# Altium PCB RF-BIG-DB5AT_v1.pcbdoc (part 5 of 7) (continued)
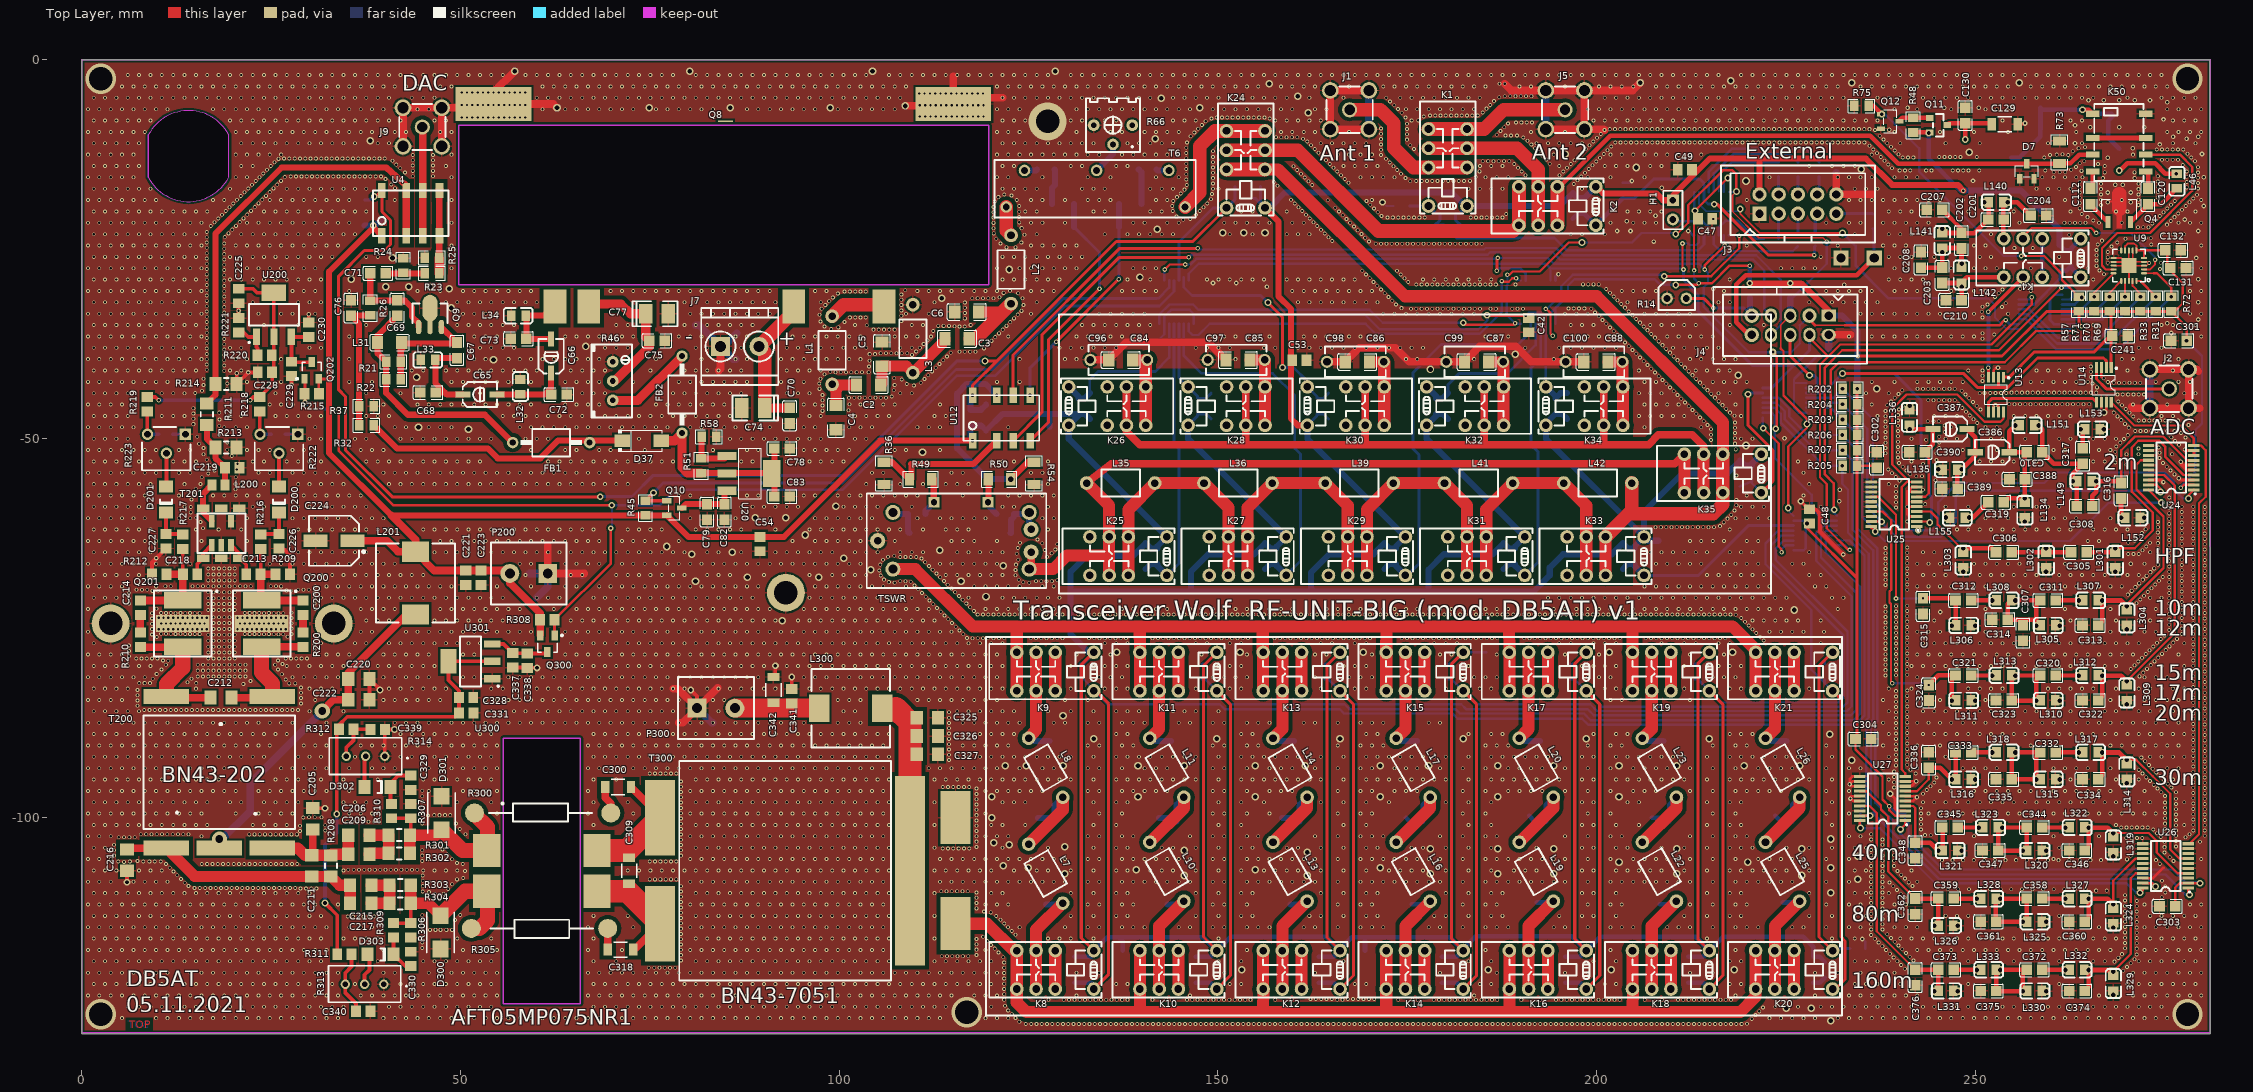
[diagram p0: Top Layer view]
## Nets (pads, with @x,y where several pads share a name; then routed paths per layer and width w, separated by ;. In a path a pad name is that pad's centre, name@x,y a point inside that pad or via, vN(x,y) a via of type N, cw(c..) or ccw(c..) an arc to the next point about the centre after c; other vN are vias at no path point) (continued)
125.318,-24.522 126.818,-24.522 128.318,-24.522 129.818,-24.522 131.318,-24.522 219.818,-24.522 231.818,-24.522 237.818,-24.522 239.318,-24.522 240.818,-24.522 249.818,-24.522 251.318,-24.522 279.818,-24.522 266.142,-24.384 273.228,-24.384 170.837,-24.292 171.537,-24.292 172.237,-24.292 172.937,-24.292 173.637,-24.292 174.337,-24.292 175.037,-24.292 175.737,-24.292 176.437,-24.292 177.137,-24.292 177.837,-24.292 178.537,-24.292 179.237,-24.292 179.937,-24.292 180.637,-24.292 181.337,-24.292 182.037,-24.292 182.737,-24.292 183.437,-24.292 184.137,-24.292 184.837,-24.292 18.818,-24.257 121.285,-24.257 16.488,-24.13 124.046,-24.13 169.926,-24.003 165.082,-23.922 266.726,-23.876 120.722,-23.626 272.441,-23.572 273.141,-23.572 169.431,-23.508 16.488,-23.42 18.868,-23.414 164.587,-23.427 124.46,-23.114 262.382,-23.114 1.568,-23.022 3.068,-23.022 4.568,-23.022 6.068,-23.022 7.568,-23.022 9.068,-23.022 10.568,-23.022 12.068,-23.022 13.568,-23.022 15.068,-23.022 21.068,-23.022 22.568,-23.022 24.068,-23.022 25.568,-23.022 27.068,-23.022 28.568,-23.022 30.068,-23.022 31.568,-23.022 33.068,-23.022 34.568,-23.022 36.068,-23.022 126.068,-23.022 135.068,-23.022 138.068,-23.022 139.568,-23.022 141.068,-23.022 142.568,-23.022 144.068,-23.022 151.568,-23.022 154.568,-23.022 159.068,-23.022 160.568,-23.022 162.068,-23.022 168.936,-23.013 196.568,-23.022 198.068,-23.022 201.068,-23.022 234.068,-23.022 238.568,-23.022 240.068,-23.022 241.568,-23.022 243.068,-23.022 252.068,-23.022 274.568,-23.022 276.068,-23.022 277.568,-23.022 164.092,-22.932 19.363,-22.919 120.396,-22.918 16.51,-22.733 168.441,-22.518 19.858,-22.424 163.597,-22.437 120.38,-22.231 124.079,-22.225 271.461,-22.098 272.161,-22.098 272.848,-22.098 167.946,-22.023 17.018,-21.935 163.102,-21.942 20.353,-21.929 275.287,-21.766 273.343,-21.603 120.38,-21.531 167.451,-21.528 0.818,-21.522 2.318,-21.522 3.818,-21.522 5.318,-21.522 6.818,-21.522 8.318,-21.522 9.818,-21.522 11.318,-21.522 12.818,-21.522 14.318,-21.522 15.818,-21.522 21.818,-21.522 23.318,-21.522 24.818,-21.522 26.318,-21.522 27.818,-21.522 29.318,-21.522 30.818,-21.522 32.318,-21.522 33.818,-21.522 35.318,-21.522 48.818,-21.522 125.318,-21.522 126.818,-21.522 129.818,-21.522 138.818,-21.522 140.318,-21.522 143.318,-21.522 144.818,-21.522 150.818,-21.522 152.318,-21.522 153.818,-21.522 155.318,-21.522 156.818,-21.522 159.818,-21.522 161.318,-21.522 201.818,-21.522 204.818,-21.522 206.318,-21.522 207.818,-21.522 230.318,-21.522 233.318,-21.522 234.818,-21.522 237.818,-21.522 239.318,-21.522 240.818,-21.522 242.318,-21.522 243.818,-21.522 255.818,-21.522 261.744,-21.518 262.444,-21.518 263.144,-21.518 263.844,-21.518 264.544,-21.518 266.318,-21.522 269.318,-21.522 276.818,-21.522 278.318,-21.522 279.818,-21.522 123.774,-21.466 17.513,-21.44 20.848,-21.434 162.607,-21.447 275.782,-21.271 265.557,-21.209 145.415,-21.108 273.838,-21.108 166.956,-21.033 146.337,-21.004 18.008,-20.945 162.112,-20.952 21.343,-20.939 120.38,-20.831 172.392,-20.831 173.092,-20.831 173.792,-20.831 174.492,-20.831 175.192,-20.831 175.892,-20.831 176.592,-20.831 177.292,-20.831 183.379,-20.831 184.079,-20.831 184.779,-20.831 185.479,-20.831 186.179,-20.831 186.879,-20.831 187.579,-20.831 123.774,-20.766 264.795,-20.776 276.277,-20.776 144.533,-20.701 171.577,-20.613 274.333,-20.613 166.461,-20.538 18.503,-20.45 21.838,-20.444 147.105,-20.457 161.617,-20.457 188.067,-20.37 264.033,-20.347 276.772,-20.281 120.38,-20.131 171.082,-20.118 274.828,-20.118 123.774,-20.066 165.966,-20.043 1.568,-20.022 3.068,-20.022 4.568,-20.022 6.068,-20.022 7.568,-20.022 9.068,-20.022 10.568,-20.022 12.068,-20.022 13.568,-20.022 15.068,-20.022 16.568,-20.022 24.068,-20.022 25.568,-20.022 27.068,-20.022 28.568,-20.022 30.068,-20.022 31.568,-20.022 33.068,-20.022 34.568,-20.022 36.068,-20.022 37.568,-20.022 124.568,-20.022 126.068,-20.022 133.568,-20.022 135.068,-20.022 141.068,-20.022 142.568,-20.022 153.068,-20.022 154.568,-20.022 159.068,-20.022 199.568,-20.022 204.068,-20.022 205.568,-20.022 207.068,-20.022 208.568,-20.022 238.568,-20.022 240.068,-20.022 241.568,-20.022 249.068,-20.022 255.068,-20.022 262.568,-20.022 268.568,-20.022 270.068,-20.022 279.068,-20.022 18.998,-19.955 144.018,-19.962 147.6,-19.962 161.122,-19.962 22.333,-19.949 277.267,-19.786 170.587,-19.623 275.323,-19.623 263.779,-19.617 165.471,-19.548 19.493,-19.461 22.828,-19.454 148.095,-19.467 160.627,-19.467 120.38,-19.431 143.968,-19.304 123.774,-19.291 277.762,-19.291 266.573,-19.177 271.526,-19.177 170.092,-19.128 275.818,-19.128 19.988,-18.966 148.59,-18.972 160.132,-18.972 23.323,-18.959 263.779,-18.917 278.257,-18.796 120.523,-18.725 169.597,-18.633 276.313,-18.633 144.087,-18.63 164.481,-18.558 0.818,-18.522 2.318,-18.522 3.818,-18.522 5.318,-18.522 6.818,-18.522 8.318,-18.522 9.818,-18.522 17.318,-18.522 18.818,-18.522 24.818,-18.522 26.318,-18.522 27.818,-18.522 29.318,-18.522 30.818,-18.522 32.318,-18.522 33.818,-18.522 35.318,-18.522 41.318,-18.522 48.818,-18.522 123.444,-18.524 125.318,-18.522 126.818,-18.522 129.818,-18.522 132.818,-18.522 134.318,-18.522 135.818,-18.522 141.818,-18.522 143.318,-18.522 170.318,-18.522 200.318,-18.522 219.818,-18.522 233.318,-18.522 234.818,-18.522 236.318,-18.522 237.818,-18.522 239.318,-18.522 240.818,-18.522 242.318,-18.522 243.818,-18.522 245.318,-18.522 248.318,-18.522 249.818,-18.522 261.818,-18.522 269.318,-18.522 279.818,-18.522 20.483,-18.471 23.818,-18.464 159.637,-18.477 266.573,-18.477 271.526,-18.477 149.072,-18.415 278.752,-18.301 263.779,-18.217 274.089,-18.167 121.009,-18.135 144.582,-18.135 20.978,-17.976 24.313,-17.969 122.753,-17.907 279.247,-17.806 121.793,-17.78 266.573,-17.777 271.526,-17.777 149.225,-17.727 145.077,-17.64 263.779,-17.517 21.473,-17.481 24.808,-17.474 274.089,-17.467 145.572,-17.145 266.573,-17.077 271.526,-17.077 1.568,-17.022 3.068,-17.022 4.568,-17.022 6.068,-17.022 7.568,-17.022 9.068,-17.022 19.568,-17.022 27.068,-17.022 28.568,-17.022 30.068,-17.022 31.568,-17.022 33.068,-17.022 34.568,-17.022 36.068,-17.022 37.568,-17.022 121.568,-17.022 123.068,-17.022 124.568,-17.022 126.068,-17.022 132.068,-17.022 133.568,-17.022 135.068,-17.022 141.068,-17.022 142.568,-17.022 144.068,-17.022 149.352,-17.027 150.068,-17.022 183.068,-17.022 184.568,-17.022 186.068,-17.022 187.568,-17.022 198.068,-17.022 234.068,-17.022 235.568,-17.022 237.068,-17.022 258.068,-17.022 259.568,-17.022 261.068,-17.022 262.568,-17.022 21.968,-16.986 25.303,-16.979 41.348,-16.968 279.4,-16.979 277.89,-16.845 263.779,-16.817 274.089,-16.767 157.861,-16.637 145.868,-16.525 162.437,-16.525 22.463,-16.491 25.798,-16.484 40.854,-16.473 196.964,-16.396 266.573,-16.377 271.526,-16.377 149.352,-16.327 279.4,-16.279 167.246,-16.243 157.366,-16.142 277.89,-16.145 263.779,-16.117 274.089,-16.067 161.942,-16.03 175.387,-16.03 22.958,-15.996 176.19,-15.999 176.89,-15.999 177.59,-15.999 178.29,-15.999 178.99,-15.999 179.69,-15.999 180.39,-15.999 181.09,-15.999 181.79,-15.999 182.49,-15.999 26.293,-15.989 183.261,-15.989 197.459,-15.901 145.818,-15.813 166.751,-15.748 40.093,-15.732 149.352,-15.627 174.752,-15.621 266.827,-15.627 271.018,-15.627 279.4,-15.579 161.447,-15.535 0.818,-15.522 2.318,-15.522 3.818,-15.522 5.318,-15.522 6.818,-15.522 20.318,-15.522 21.818,-15.522 48.818,-15.522 120.818,-15.522 122.318,-15.522 126.818,-15.522 132.818,-15.522 135.818,-15.522 141.818,-15.522 144.818,-15.522 168.818,-15.522 170.318,-15.522 171.818,-15.522 173.318,-15.522 185.318,-15.522 186.818,-15.522 188.318,-15.522 198.818,-15.522 201.818,-15.522 206.318,-15.522 222.818,-15.522 231.818,-15.522 233.318,-15.522 234.818,-15.522 236.318,-15.522 239.318,-15.522 240.818,-15.522 242.318,-15.522 258.818,-15.522 260.318,-15.522 261.818,-15.522 263.318,-15.522 23.453,-15.501 26.788,-15.494 184.023,-15.494 264.146,-15.501 277.89,-15.445 27.597,-15.406 28.297,-15.406 28.997,-15.406 29.697,-15.406 30.397,-15.406 31.097,-15.406 31.797,-15.406 32.497,-15.406 33.197,-15.406 33.897,-15.406 34.597,-15.406 35.297,-15.406 35.997,-15.406 36.697,-15.406 37.397,-15.406 38.097,-15.406 38.797,-15.406 39.497,-15.406 197.954,-15.406 43.688,-15.367 46.355,-15.367 274.089,-15.367 166.256,-15.253 190.609,-15.253 195.089,-15.24 145.818,-15.113 160.952,-15.04 174.164,-15.04 23.948,-15.006 149.352,-14.927 198.449,-14.911 42.672,-14.885 279.4,-14.879 260.35,-14.859 261.138,-14.859 261.848,-14.859 267.081,-14.865 270.995,-14.865 165.761,-14.758 190.115,-14.758 195.584,-14.745 277.89,-14.745 184.531,-14.732 264.007,-14.668 43.688,-14.667 46.355,-14.667 239.995,-14.605 240.695,-14.605 241.395,-14.605 243.495,-14.605 244.195,-14.605 246.995,-14.605 247.695,-14.605 248.395,-14.605 249.095,-14.605 250.495,-14.605 259.207,-14.605 160.457,-14.545 173.669,-14.545 24.443,-14.511 262.636,-14.51 198.944,-14.416 145.818,-14.413 42.037,-14.325 238.988,-14.325 165.266,-14.263 189.62,-14.263 196.079,-14.25 149.352,-14.227 263.271,-14.162 279.4,-14.179 159.962,-14.05 173.174,-14.05 1.568,-14.022 3.068,-14.022 4.568,-14.022 6.068,-14.022 7.568,-14.022 21.068,-14.022 22.568,-14.022 24.938,-14.016 48.068,-14.022 121.568,-14.022 123.068,-14.022 130.568,-14.022 132.068,-14.022 136.568,-14.022 138.068,-14.022 166.568,-14.022 168.068,-14.022 169.568,-14.022 171.068,-14.022 184.593,-14.015 186.068,-14.022 187.568,-14.022 195.068,-14.022 201.068,-14.022 202.568,-14.022 204.068,-14.022 207.068,-14.022 208.568,-14.022 228.068,-14.022 231.068,-14.022 232.568,-14.022 234.068,-14.022 267.068,-14.022 43.688,-13.967 46.355,-13.967 199.439,-13.921 277.368,-13.895 41.529,-13.843 238.493,-13.83 164.771,-13.768 189.125,-13.768 196.574,-13.755 266.192,-13.761 145.818,-13.713 193.802,-13.713 263.779,-13.671 172.679,-13.555 149.352,-13.527 25.433,-13.521 199.934,-13.426 184.968,-13.4 185.668,-13.4 186.368,-13.4 187.068,-13.4 187.768,-13.4 188.468,-13.4 264.364,-13.4 278.993,-13.4 41.021,-13.335 237.998,-13.335 164.276,-13.273 43.688,-13.267 46.355,-13.267 197.069,-13.26 274.639,-13.208 275.339,-13.208 276.039,-13.208 276.739,-13.208 193.356,-13.16 25.971,-13.081 172.184,-13.06 26.705,-13.025 27.405,-13.025 28.105,-13.025 28.805,-13.025 29.505,-13.025 30.205,-13.025 30.905,-13.025 31.605,-13.025 32.305,-13.025 33.005,-13.025 33.705,-13.025 34.405,-13.025 35.105,-13.025 35.805,-13.025 36.505,-13.025 37.205,-13.025 37.905,-13.025 38.605,-13.025 39.305,-13.025 40.005,-13.025 145.818,-13.013 200.429,-12.931 240.411,-12.905 241.111,-12.905 241.811,-12.905 259.08,-12.905 278.498,-12.905 237.503,-12.84 245.231,-12.84 245.931,-12.84 246.631,-12.84 247.331,-12.84 248.031,-12.84 149.352,-12.827 250.164,-12.827 163.781,-12.778 197.564,-12.765 192.861,-12.665 43.688,-12.567 46.355,-12.567 171.512,-12.578 259.842,-12.573 262.255,-12.573 0.818,-12.522 2.318,-12.522 3.818,-12.522 5.318,-12.522 6.818,-12.522 20.318,-12.522 21.818,-12.522 23.318,-12.522 24.818,-12.522 26.318,-12.522 48.818,-12.522 120.818,-12.522 122.318,-12.522 123.818,-12.522 125.318,-12.522 126.818,-12.522 128.318,-12.522 129.818,-12.522 131.318,-12.522 132.818,-12.522 134.318,-12.522 137.318,-12.522 138.818,-12.522 140.318,-12.522 141.818,-12.522 143.318,-12.522 144.818,-12.522 165.818,-12.522 167.318,-12.522 168.818,-12.522 170.318,-12.522 194.318,-12.522 201.818,-12.522 203.318,-12.522 204.818,-12.522 206.318,-12.522 207.818,-12.522 209.318,-12.522 210.818,-12.522 212.318,-12.522 213.818,-12.522 236.318,-12.522 260.731,-12.522 270.818,-12.522 239.858,-12.459 261.493,-12.459 200.924,-12.436 278.003,-12.41 237.008,-12.345 145.818,-12.313 163.286,-12.283 198.059,-12.27 192.366,-12.17 149.352,-12.065 262.864,-12.065 239.363,-11.964 201.419,-11.941 171.512,-11.878 236.513,-11.85 273.939,-11.85 274.639,-11.85 275.339,-11.85 276.039,-11.85 276.739,-11.85 277.439,-11.85 162.791,-11.788 175.882,-11.775 198.554,-11.775 191.871,-11.675 263.626,-11.684 145.818,-11.613 264.464,-11.557 238.868,-11.469 201.914,-11.446 236.018,-11.355 162.296,-11.293 175.387,-11.28 199.049,-11.28 171.512,-11.178 191.376,-11.18 1.568,-11.022 3.068,-11.022 4.568,-11.022 6.068,-11.022 7.568,-11.022 21.068,-11.022 22.568,-11.022 24.068,-11.022 25.568,-11.022 27.068,-11.022 28.568,-11.022 30.068,-11.022 31.568,-11.022 33.068,-11.022 34.568,-11.022 36.068,-11.022 39.068,-11.022 40.568,-11.022 121.568,-11.022 123.068,-11.022 124.568,-11.022 126.068,-11.022 127.568,-11.022 129.068,-11.022 130.568,-11.022 132.068,-11.022 133.568,-11.022 138.068,-11.022 139.568,-11.022 141.068,-11.022 142.568,-11.022 144.068,-11.022 163.568,-11.022 165.068,-11.022 166.568,-11.022 168.068,-11.022 169.568,-11.022 192.068,-11.022 193.568,-11.022 195.068,-11.022 196.568,-11.022 198.068,-11.022 238.353,-11.023 240.068,-11.022 246.068,-11.022 250.568,-11.022 259.568,-11.022 264.068,-11.022 276.068,-11.022 279.068,-11.022 145.923,-10.922 202.441,-10.922 203.141,-10.922 203.841,-10.922 204.541,-10.922 205.241,-10.922 205.941,-10.922 206.641,-10.922 207.341,-10.922 208.041,-10.922 208.741,-10.922 209.441,-10.922 210.141,-10.922 210.841,-10.922 211.541,-10.922 212.241,-10.922 212.941,-10.922 213.641,-10.922 214.341,-10.922 215.041,-10.922 215.741,-10.922 216.441,-10.922 217.141,-10.922 217.841,-10.922 218.541,-10.922 219.241,-10.922 219.941,-10.922 220.641,-10.922 221.341,-10.922 222.041,-10.922 222.741,-10.922 223.441,-10.922 224.141,-10.922 224.841,-10.922 225.541,-10.922 226.241,-10.922 226.941,-10.922 227.641,-10.922 228.341,-10.922 229.041,-10.922 229.741,-10.922 230.441,-10.922 231.141,-10.922 231.841,-10.922 232.541,-10.922 233.241,-10.922 233.941,-10.922 234.641,-10.922 235.341,-10.922 161.801,-10.798 199.544,-10.785 190.881,-10.686 174.972,-10.541 237.858,-10.528 171.512,-10.478 161.234,-10.414 200.039,-10.29 190.318,-10.251 157.657,-10.222 158.357,-10.222 159.057,-10.222 159.757,-10.222 160.457,-10.222 146.392,-10.108 237.363,-10.033 187.954,-10.002 188.689,-10.002 189.484,-10.002 186.817,-9.906 174.972,-9.841 200.534,-9.795 171.512,-9.778 146.887,-9.613 0.818,-9.522 2.318,-9.522 3.818,-9.522 5.318,-9.522 6.818,-9.522 8.318,-9.522 20.318,-9.522 21.818,-9.522 23.318,-9.522 24.818,-9.522 26.318,-9.522 27.818,-9.522 29.318,-9.522 30.818,-9.522 32.318,-9.522 33.818,-9.522 35.318,-9.522 36.818,-9.522 38.318,-9.522 39.818,-9.522 41.318,-9.522 42.818,-9.522 47.318,-9.522 48.818,-9.522 120.818,-9.522 122.318,-9.522 123.818,-9.522 131.318,-9.522 135.818,-9.522 137.318,-9.522 140.318,-9.522 141.818,-9.522 143.318,-9.522 144.818,-9.522 158.318,-9.522 159.818,-9.522 161.318,-9.522 162.818,-9.522 167.318,-9.522 191.318,-9.522 195.818,-9.522 239.318,-9.522 245.318,-9.522 249.818,-9.522 254.318,-9.522 263.318,-9.522 275.318,-9.522 276.818,-9.522 278.318,-9.522 279.818,-9.522 187.312,-9.411 236.741,-9.271 201.718,-9.157 202.418,-9.157 203.118,-9.157 203.818,-9.157 204.518,-9.157 205.218,-9.157 205.918,-9.157 206.618,-9.157 207.318,-9.157 208.018,-9.157 208.718,-9.157 209.418,-9.157 210.118,-9.157 210.818,-9.157 211.518,-9.157 212.218,-9.157 212.918,-9.157 213.618,-9.157 214.318,-9.157 215.018,-9.157 215.718,-9.157 216.418,-9.157 217.118,-9.157 217.818,-9.157 218.518,-9.157 219.218,-9.157 219.918,-9.157 220.618,-9.157 221.318,-9.157 222.018,-9.157 222.718,-9.157 223.418,-9.157 224.118,-9.157 224.818,-9.157 225.518,-9.157 226.218,-9.157 226.918,-9.157 227.618,-9.157 228.318,-9.157 229.018,-9.157 229.718,-9.157 230.418,-9.157 231.118,-9.157 231.818,-9.157 232.518,-9.157 233.218,-9.157 233.918,-9.157 234.618,-9.157 235.318,-9.157 236.018,-9.157 174.972,-9.141 147.382,-9.118 171.512,-9.078 187.807,-8.916 147.877,-8.623 174.972,-8.441 188.302,-8.421 189.357,-8.292 190.057,-8.292 190.757,-8.292 191.457,-8.292 148.372,-8.128 1.568,-8.022 3.068,-8.022 4.568,-8.022 6.068,-8.022 7.568,-8.022 9.068,-8.022 19.568,-8.022 21.068,-8.022 22.568,-8.022 24.068,-8.022 25.568,-8.022 27.068,-8.022 28.568,-8.022 30.068,-8.022 31.568,-8.022 33.068,-8.022 34.568,-8.022 36.068,-8.022 37.568,-8.022 39.068,-8.022 40.568,-8.022 42.068,-8.022 46.568,-8.022 48.068,-8.022 121.568,-8.022 123.068,-8.022 124.568,-8.022 130.568,-8.022 132.068,-8.022 135.068,-8.022 136.568,-8.022 141.068,-8.022 142.568,-8.022 144.068,-8.022 145.568,-8.022 147.068,-8.022 157.568,-8.022 159.068,-8.022 160.568,-8.022 162.068,-8.022 163.568,-8.022 175.568,-8.022 199.568,-8.022 201.068,-8.022 202.568,-8.022 204.068,-8.022 205.568,-8.022 207.068,-8.022 208.568,-8.022 210.068,-8.022 211.568,-8.022 213.068,-8.022 214.568,-8.022 216.068,-8.022 217.568,-8.022 219.068,-8.022 220.568,-8.022 222.068,-8.022 223.568,-8.022 225.068,-8.022 226.568,-8.022 228.068,-8.022 229.568,-8.022 231.068,-8.022 232.568,-8.022 234.068,-8.022 235.568,-8.022 237.068,-8.022 253.568,-8.022 262.568,-8.022 264.068,-8.022 276.068,-8.022 277.568,-8.022 279.068,-8.022 176.437,-8.001 149.137,-7.747 156.845,-7.757 50.165,-7.62 50.865,-7.62 51.565,-7.62 52.265,-7.62 52.965,-7.62 53.665,-7.62 54.365,-7.62 55.065,-7.62 55.765,-7.62 56.465,-7.62 57.165,-7.62 57.865,-7.62 58.565,-7.62 149.837,-7.62 150.537,-7.62 151.237,-7.62 151.937,-7.62 152.637,-7.62 153.337,-7.62 154.037,-7.62 154.737,-7.62 155.437,-7.62 156.137,-7.62 174.752,-7.62 110.645,-7.493 111.345,-7.493 112.045,-7.493 112.745,-7.493 113.445,-7.493 114.145,-7.493 114.845,-7.493 115.545,-7.493 116.245,-7.493 116.945,-7.493 117.645,-7.493 118.345,-7.493 119.045,-7.493 177.165,-7.493 177.983,-7.366 178.683,-7.366 179.383,-7.366 180.083,-7.366 180.783,-7.366 181.483,-7.366 182.183,-7.366 182.883,-7.366 183.583,-7.366 184.283,-7.366 174.272,-6.985 184.951,-6.946 0.818,-6.522 2.318,-6.522 3.818,-6.522 5.318,-6.522 6.818,-6.522 8.318,-6.522 9.818,-6.522 11.318,-6.522 17.318,-6.522 18.818,-6.522 20.318,-6.522 21.818,-6.522 23.318,-6.522 24.818,-6.522 26.318,-6.522 27.818,-6.522 29.318,-6.522 30.818,-6.522 32.318,-6.522 33.818,-6.522 35.318,-6.522 36.818,-6.522 38.318,-6.522 39.818,-6.522 44.318,-6.522 45.818,-6.522 60.818,-6.522 63.818,-6.522 65.318,-6.522 66.818,-6.522 68.318,-6.522 69.818,-6.522 71.318,-6.522 72.818,-6.522 75.818,-6.522 77.318,-6.522 78.818,-6.522 80.318,-6.522 81.818,-6.522 83.318,-6.522 87.818,-6.522 89.318,-6.522 90.818,-6.522 92.318,-6.522 93.818,-6.522 95.318,-6.522 96.818,-6.522 99.818,-6.522 101.318,-6.522 102.818,-6.522 104.318,-6.522 105.818,-6.522 107.318,-6.522 120.818,-6.522 122.318,-6.522 123.818,-6.522 131.318,-6.522 132.818,-6.522 134.318,-6.522 135.818,-6.522 137.318,-6.522 138.818,-6.522 140.318,-6.522 141.818,-6.522 143.318,-6.522 144.818,-6.522 146.318,-6.522 149.318,-6.522 150.818,-6.522 152.318,-6.522 153.818,-6.522 155.318,-6.522 156.818,-6.522 158.318,-6.522 159.818,-6.522 162.818,-6.522 164.318,-6.522 174.818,-6.522 176.318,-6.522 177.818,-6.522 179.318,-6.522 180.818,-6.522 182.318,-6.522 183.818,-6.522 198.818,-6.522 200.318,-6.522 201.818,-6.522 203.318,-6.522 204.818,-6.522 206.318,-6.522 207.818,-6.522 209.318,-6.522 210.818,-6.522 212.318,-6.522 213.818,-6.522 215.318,-6.522 216.818,-6.522 218.318,-6.522 219.818,-6.522 221.318,-6.522 222.818,-6.522 224.318,-6.522 225.818,-6.522 227.318,-6.522 228.818,-6.522 230.318,-6.522 231.818,-6.522 239.318,-6.522 242.318,-6.522 246.818,-6.522 251.318,-6.522 252.818,-6.522 275.318,-6.522 276.818,-6.522 278.318,-6.522 279.818,-6.522 173.777,-6.49 185.446,-6.451 110.645,-5.995 111.345,-5.995 112.045,-5.995 112.745,-5.995 113.445,-5.995 114.145,-5.995 114.845,-5.995 115.545,-5.995 116.245,-5.995 116.945,-5.995 117.645,-5.995 118.345,-5.995 119.045,-5.995 173.282,-5.995 50.165,-5.956 50.865,-5.956 51.565,-5.956 52.265,-5.956 52.965,-5.956 53.665,-5.956 54.365,-5.956 55.065,-5.956 55.765,-5.956 56.465,-5.956 57.165,-5.956 57.865,-5.956 58.565,-5.956 185.941,-5.956 172.702,-5.522 186.436,-5.461 1.568,-5.022 3.068,-5.022 4.568,-5.022 6.068,-5.022 7.568,-5.022 9.068,-5.022 10.568,-5.022 12.068,-5.022 13.568,-5.022 15.068,-5.022 16.568,-5.022 18.068,-5.022 19.568,-5.022 21.068,-5.022 22.568,-5.022 24.068,-5.022 25.568,-5.022 27.068,-5.022 28.568,-5.022 30.068,-5.022 31.568,-5.022 33.068,-5.022 34.568,-5.022 36.068,-5.022 37.568,-5.022 39.068,-5.022 40.568,-5.022 43.568,-5.022 45.068,-5.022 46.568,-5.022 60.068,-5.022 61.568,-5.022 63.068,-5.022 64.568,-5.022 66.068,-5.022 67.568,-5.022 69.068,-5.022 70.568,-5.022 72.068,-5.022 73.568,-5.022 75.068,-5.022 76.568,-5.022 78.068,-5.022 79.568,-5.022 81.068,-5.022 82.568,-5.022 84.068,-5.022 85.568,-5.022 87.068,-5.022 88.568,-5.022 90.068,-5.022 91.568,-5.022 93.068,-5.022 94.568,-5.022 96.068,-5.022 97.568,-5.022 99.068,-5.022 100.568,-5.022 102.068,-5.022 103.568,-5.022 105.068,-5.022 106.568,-5.022 108.068,-5.022 123.068,-5.022 124.568,-5.022 126.068,-5.022 127.568,-5.022 129.068,-5.022 130.568,-5.022 132.068,-5.022 133.568,-5.022 135.068,-5.022 136.568,-5.022 138.068,-5.022 139.568,-5.022 141.068,-5.022 144.068,-5.022 145.568,-5.022 147.068,-5.022 148.568,-5.022 150.068,-5.022 151.568,-5.022 153.068,-5.022 154.568,-5.022 156.068,-5.022 157.568,-5.022 159.068,-5.022 162.068,-5.022 166.568,-5.022 172.207,-5.027 174.068,-5.022 175.568,-5.022 177.068,-5.022 178.568,-5.022 180.068,-5.022 181.568,-5.022 183.068,-5.022 184.568,-5.022 201.068,-5.022 202.568,-5.022 204.068,-5.022 205.568,-5.022 207.068,-5.022 208.568,-5.022 210.068,-5.022 211.568,-5.022 213.068,-5.022 214.568,-5.022 216.068,-5.022 217.568,-5.022 219.068,-5.022 220.568,-5.022 222.068,-5.022 223.568,-5.022 225.068,-5.022 226.568,-5.022 228.068,-5.022 229.568,-5.022 231.068,-5.022 232.568,-5.022 237.068,-5.022 238.568,-5.022 240.068,-5.022 241.568,-5.022 243.068,-5.022 244.568,-5.022 246.068,-5.022 247.568,-5.022 249.068,-5.022 250.568,-5.022 252.068,-5.022 253.568,-5.022 255.068,-5.022 256.568,-5.022 258.068,-5.022 259.568,-5.022 261.068,-5.022 262.568,-5.022 264.068,-5.022 265.568,-5.022 270.068,-5.022 274.568,-5.022 276.068,-5.022 277.568,-5.022 279.068,-5.022 187.124,-4.953 187.876,-4.826 188.576,-4.826 189.276,-4.826 189.976,-4.826 190.676,-4.826 191.376,-4.826 110.572,-4.445 111.272,-4.445 111.972,-4.445 112.672,-4.445 113.372,-4.445 114.072,-4.445 114.772,-4.445 115.472,-4.445 116.172,-4.445 116.872,-4.445 117.572,-4.445 118.272,-4.445 118.972,-4.445 50.165,-4.318 50.865,-4.318 51.565,-4.318 52.265,-4.318 52.965,-4.318 53.665,-4.318 54.365,-4.318 55.065,-4.318 55.765,-4.318 56.465,-4.318 57.165,-4.318 57.865,-4.318 58.565,-4.318 5.318,-3.522 6.818,-3.522 8.318,-3.522 9.818,-3.522 11.318,-3.522 12.818,-3.522 14.318,-3.522 15.818,-3.522 17.318,-3.522 18.818,-3.522 20.318,-3.522 21.818,-3.522 23.318,-3.522 24.818,-3.522 26.318,-3.522 27.818,-3.522 29.318,-3.522 30.818,-3.522 32.318,-3.522 33.818,-3.522 35.318,-3.522 36.818,-3.522 38.318,-3.522 39.818,-3.522 41.318,-3.522 42.818,-3.522 44.318,-3.522 45.818,-3.522 47.318,-3.522 48.818,-3.522 60.818,-3.522 62.318,-3.522 63.818,-3.522 65.318,-3.522 66.818,-3.522 68.318,-3.522 69.818,-3.522 71.318,-3.522 72.818,-3.522 74.318,-3.522 75.818,-3.522 77.318,-3.522 78.818,-3.522 80.318,-3.522 81.818,-3.522 83.318,-3.522 84.818,-3.522 86.318,-3.522 87.818,-3.522 89.318,-3.522 90.818,-3.522 92.318,-3.522 93.818,-3.522 95.318,-3.522 96.818,-3.522 98.318,-3.522 99.818,-3.522 101.318,-3.522 102.818,-3.522 104.318,-3.522 105.818,-3.522 107.318,-3.522 108.818,-3.522 120.818,-3.522 122.318,-3.522 123.818,-3.522 125.318,-3.522 126.818,-3.522 128.318,-3.522 129.818,-3.522 131.318,-3.522 132.818,-3.522 134.318,-3.522 135.818,-3.522 137.318,-3.522 138.818,-3.522 140.318,-3.522 141.818,-3.522 143.318,-3.522 144.818,-3.522 146.318,-3.522 147.818,-3.522 149.318,-3.522 150.818,-3.522 152.318,-3.522 153.818,-3.522 155.318,-3.522 158.318,-3.522 159.818,-3.522 161.318,-3.522 162.818,-3.522 167.318,-3.522 171.818,-3.522 173.318,-3.522 174.818,-3.522 176.318,-3.522 177.818,-3.522 179.318,-3.522 180.818,-3.522 182.318,-3.522 183.818,-3.522 185.318,-3.522 189.818,-3.522 191.318,-3.522 195.818,-3.522 200.318,-3.522 201.818,-3.522 203.318,-3.522 204.818,-3.522 207.818,-3.522 209.318,-3.522 210.818,-3.522 212.318,-3.522 213.818,-3.522 215.318,-3.522 216.818,-3.522 218.318,-3.522 219.818,-3.522 221.318,-3.522 222.818,-3.522 224.318,-3.522 225.818,-3.522 227.318,-3.522 228.818,-3.522 230.318,-3.522 231.818,-3.522 234.818,-3.522 236.318,-3.522 237.818,-3.522 239.318,-3.522 240.818,-3.522 242.318,-3.522 243.818,-3.522 245.318,-3.522 246.818,-3.522 248.318,-3.522 249.818,-3.522 251.318,-3.522 252.818,-3.522 254.318,-3.522 257.318,-3.522 258.818,-3.522 260.318,-3.522 261.818,-3.522 263.318,-3.522 264.818,-3.522 266.318,-3.522 267.818,-3.522 269.318,-3.522 270.818,-3.522 272.318,-3.522 273.818,-3.522 275.318,-3.522 187.155,-3.175 6.068,-2.022 7.568,-2.022 9.068,-2.022 10.568,-2.022 12.068,-2.022 13.568,-2.022 15.068,-2.022 16.568,-2.022 18.068,-2.022 19.568,-2.022 21.068,-2.022 22.568,-2.022 24.068,-2.022 25.568,-2.022 27.068,-2.022 28.568,-2.022 30.068,-2.022 31.568,-2.022 33.068,-2.022 34.568,-2.022 36.068,-2.022 37.568,-2.022 39.068,-2.022 40.568,-2.022 42.068,-2.022 43.568,-2.022 45.068,-2.022 46.568,-2.022 48.068,-2.022 49.568,-2.022 51.068,-2.022 52.568,-2.022 54.068,-2.022 55.568,-2.022 58.568,-2.022 60.068,-2.022 61.568,-2.022 63.068,-2.022 64.568,-2.022 66.068,-2.022 67.568,-2.022 69.068,-2.022 70.568,-2.022 72.068,-2.022 73.568,-2.022 75.068,-2.022 76.568,-2.022 78.068,-2.022 81.068,-2.022 82.568,-2.022 84.068,-2.022 85.568,-2.022 87.068,-2.022 88.568,-2.022 90.068,-2.022 91.568,-2.022 93.068,-2.022 94.568,-2.022 96.068,-2.022 97.568,-2.022 99.068,-2.022 100.568,-2.022 102.068,-2.022 103.568,-2.022 106.568,-2.022 108.068,-2.022 109.568,-2.022 111.068,-2.022 112.568,-2.022 114.068,-2.022 115.568,-2.022 117.068,-2.022 118.568,-2.022 120.068,-2.022 121.568,-2.022 123.068,-2.022 124.568,-2.022 126.068,-2.022 127.568,-2.022 130.568,-2.022 132.068,-2.022 133.568,-2.022 135.068,-2.022 136.568,-2.022 138.068,-2.022 139.568,-2.022 141.068,-2.022 142.568,-2.022 144.068,-2.022 145.568,-2.022 147.068,-2.022 148.568,-2.022 150.068,-2.022 151.568,-2.022 153.068,-2.022 154.568,-2.022 156.068,-2.022 157.568,-2.022 159.068,-2.022 160.568,-2.022 162.068,-2.022 163.568,-2.022 165.068,-2.022 166.568,-2.022 168.068,-2.022 169.568,-2.022 171.068,-2.022 172.568,-2.022 174.068,-2.022 175.568,-2.022 177.068,-2.022 178.568,-2.022 180.068,-2.022 181.568,-2.022 183.068,-2.022 184.568,-2.022 186.068,-2.022 187.568,-2.022 189.068,-2.022 190.568,-2.022 192.068,-2.022 193.568,-2.022 195.068,-2.022 196.568,-2.022 198.068,-2.022 199.568,-2.022 201.068,-2.022 202.568,-2.022 204.068,-2.022 205.568,-2.022 207.068,-2.022 208.568,-2.022 210.068,-2.022 211.568,-2.022 213.068,-2.022 214.568,-2.022 216.068,-2.022 219.068,-2.022 220.568,-2.022 222.068,-2.022 223.568,-2.022 225.068,-2.022 226.568,-2.022 228.068,-2.022 229.568,-2.022 231.068,-2.022 232.568,-2.022 234.068,-2.022 235.568,-2.022 237.068,-2.022 238.568,-2.022 240.068,-2.022 241.568,-2.022 243.068,-2.022 244.568,-2.022 246.068,-2.022 247.568,-2.022 249.068,-2.022 250.568,-2.022 252.068,-2.022 253.568,-2.022 255.068,-2.022 256.568,-2.022 258.068,-2.022 259.568,-2.022 261.068,-2.022 262.568,-2.022 264.068,-2.022 265.568,-2.022 267.068,-2.022 268.568,-2.022 270.068,-2.022 271.568,-2.022 273.068,-2.022 274.568,-2.022